# KiCad board SmallDSPMaxi.kicad_pcb (continued)
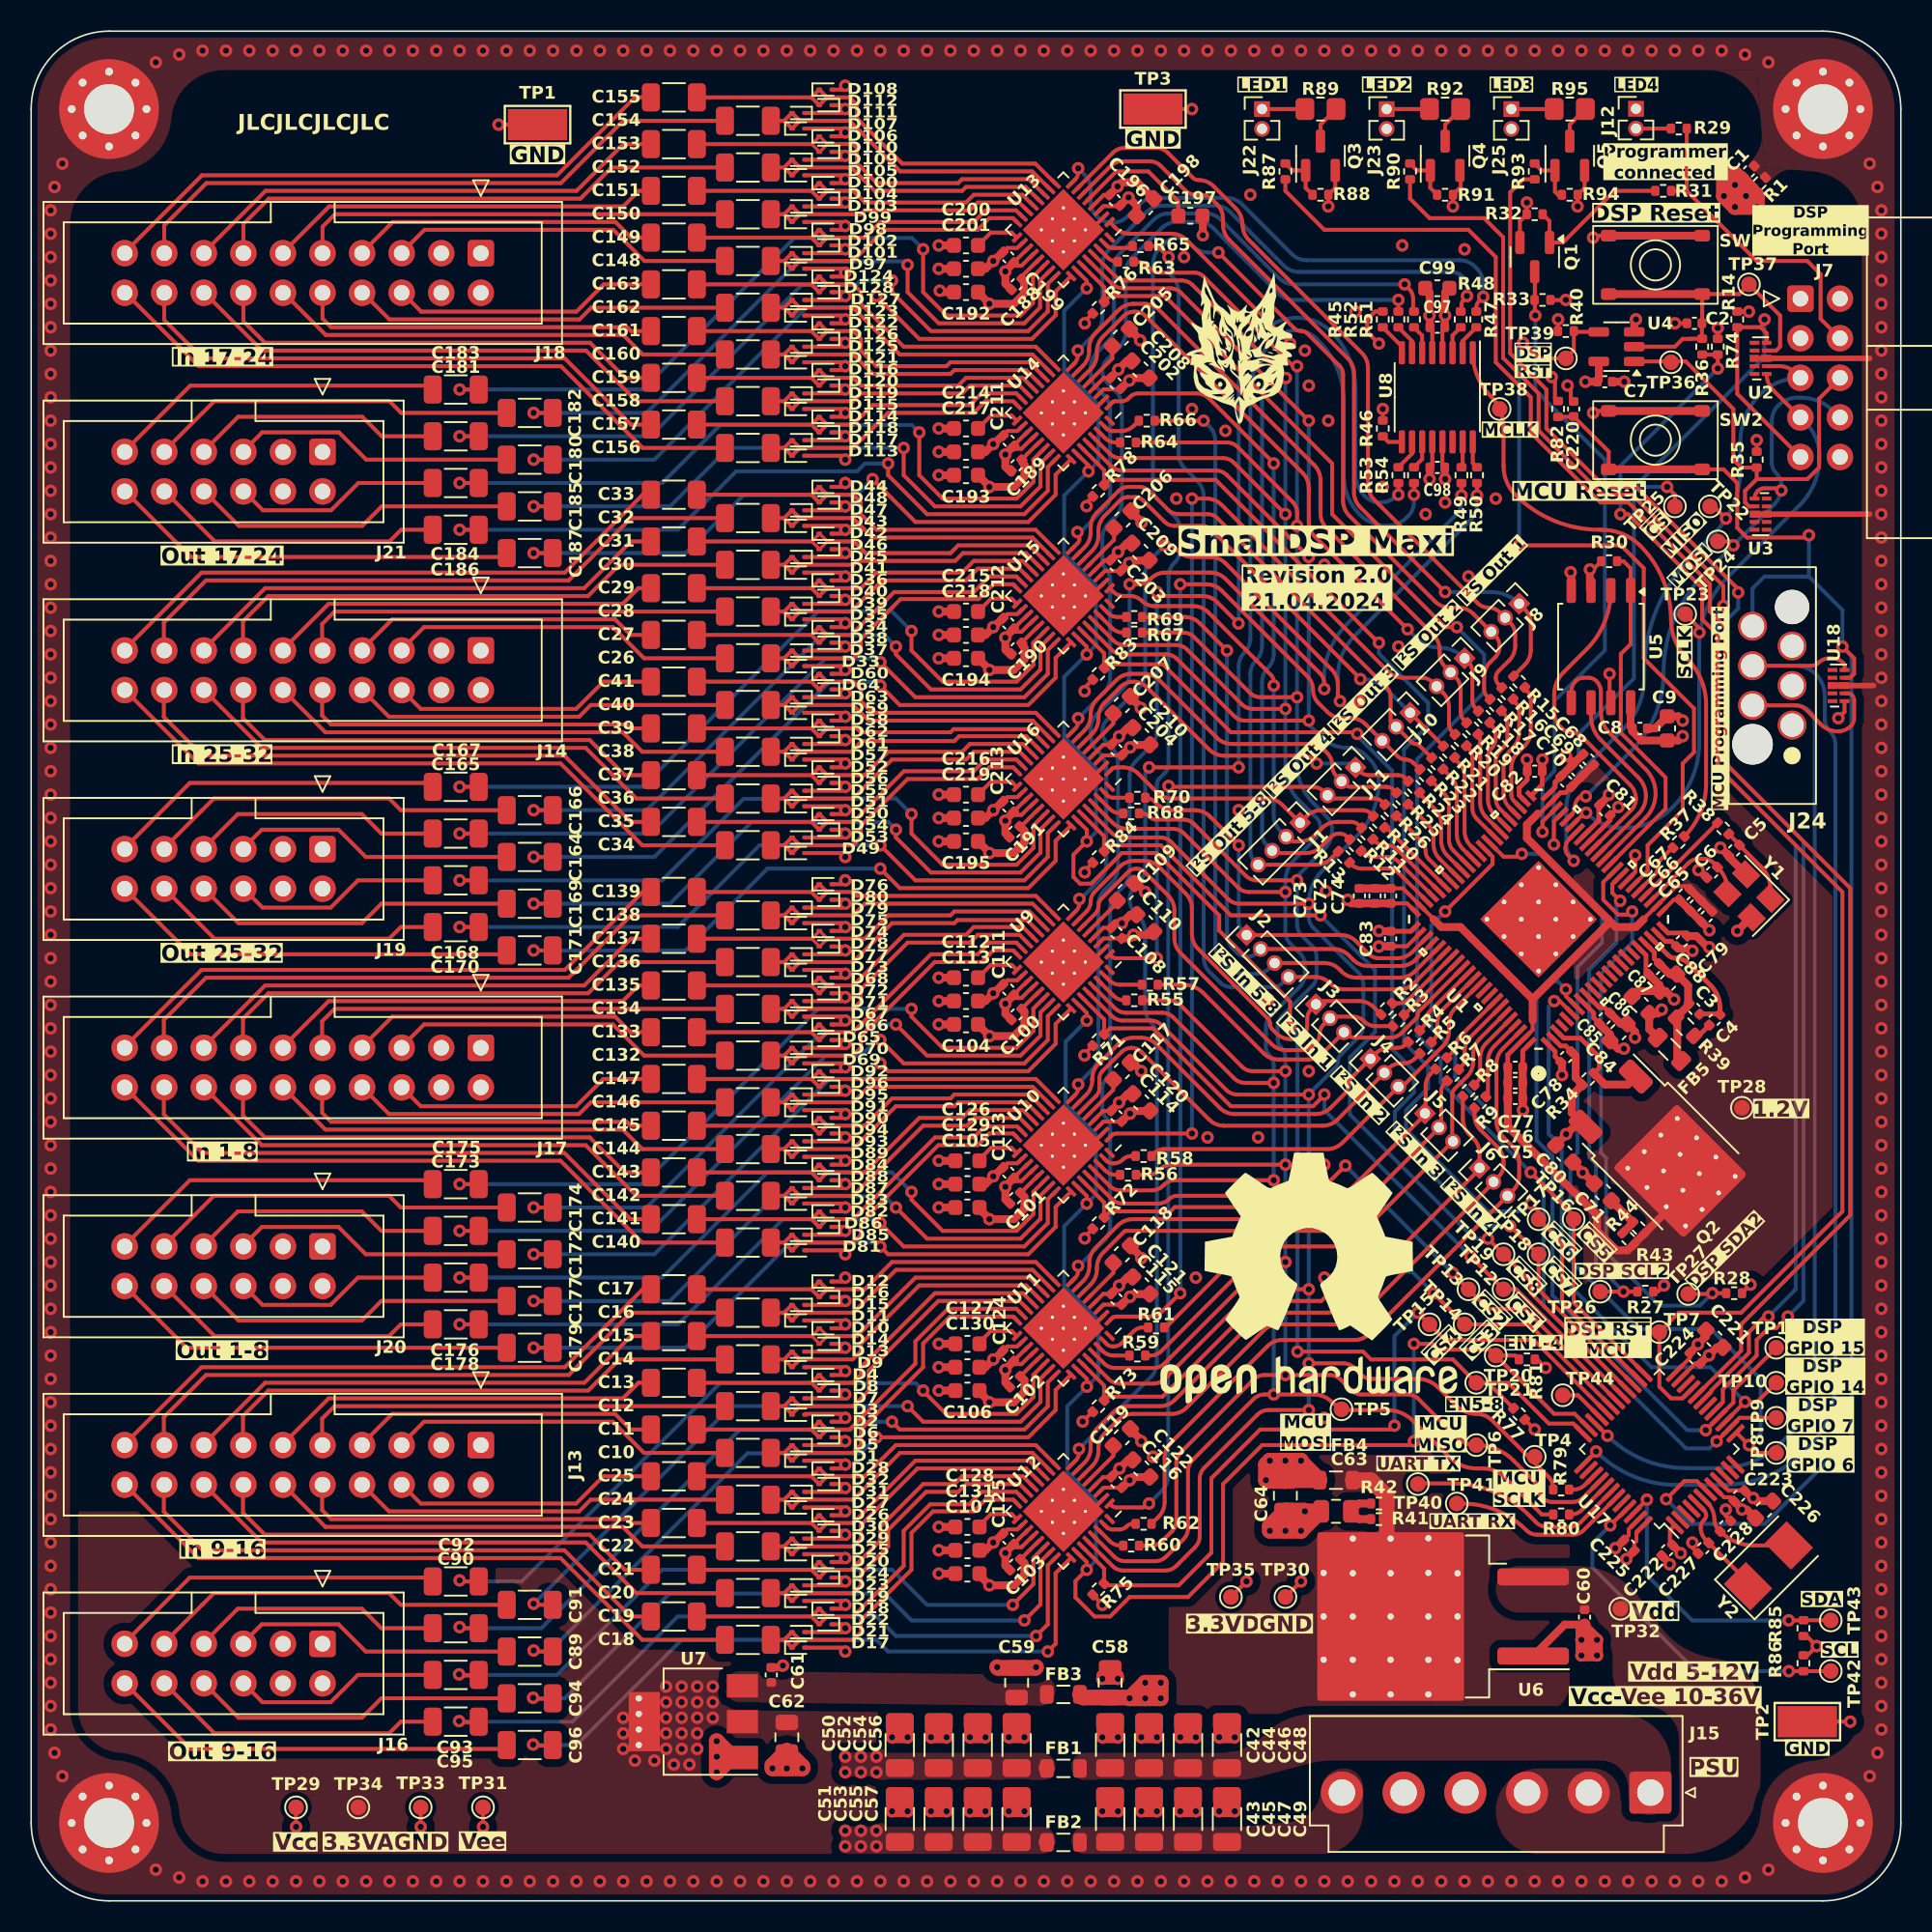
[diagram p0: board, top side]
## Routing (per net, layer and track width the routed paths; a pad name or vN(x,y) marks a point on that pad's centre or on a via; arc(x,y) is an arc through that point) (continued)
/DSP I²S SDI 5: length 65.1
  Top w0.25: U1.72 88.76,58.9 arc(88.32,58.6) 87.8,58.5 84.31,58.5 arc(83.79,58.6) 83.35,58.9 arc(82.91,59.19) 82.39,59.29 J2.4 ; v1(73,105.5) 72.3,106.2 R65.2
  Bottom w0.25: v1(73,105.5) 73,104.76 arc(73.05,104.52) 73.19,104.31 arc(73.53,103.8) 73.65,103.2 73.65,92.89 arc(73.75,92.37) 74.05,91.93 74.85,91.12 arc(75.15,90.68) 75.25,90.16 75.25,60.56 arc(75.35,60.04) 75.65,59.6 76.32,58.93 arc(76.63,58.72) 76.99,58.65 79.66,58.65 arc(80.03,58.72) 80.35,58.93 J2.4
/DSP I²S SDI 6: length 53.7
  Top w0.25: J2.3 82.99,60.19 arc(83.52,60.09) 83.96,59.79 84.1,59.65 arc(84.54,59.35) 85.06,59.25 87.84,59.25 arc(88.36,59.35) 88.8,59.65 U1.71 ; v1(75.25,95) R66.2
  Bottom w0.25: v1(75.25,95) 75.62,94.62 arc(75.9,94.21) 76,93.72 76,61.31 arc(76.1,60.79) 76.4,60.35 76.85,59.9 arc(77.29,59.6) 77.81,59.5 78.63,59.5 arc(79.08,59.59) 79.46,59.85 J2.3
/DSP I²S SDI 7: length 39.6
  Top w0.25: R69.2 74.04,82.4 arc(74.56,82.3) 75,82 v1(76.75,80.25) ; J2.2 83.6,61.09 arc(84.12,60.99) 84.56,60.69 84.85,60.4 arc(85.29,60.1) 85.81,60 87.88,60 arc(88.4,60.1) 88.85,60.4 U1.70
  Bottom w0.25: J2.2 78.66,60.84 arc(78.38,60.65) 78.06,60.59 78.04,60.59 arc(77.69,60.66) 77.39,60.86 77.15,61.1 arc(76.85,61.54) 76.75,62.06 v1(76.75,80.25)
/DSP I²S SDI 8: length 25.6
  Top w0.25: v1(77.5,67.75) 75.65,69.6 arc(75.21,69.9) 74.69,70 73.3,70 arc(72.7,70.12) 72.2,70.46 72.1,70.56 arc(71.83,70.74) R70.2 ; J2.1 84.07,61.99 arc(84.59,61.88) 85.03,61.59 85.86,60.75 arc(86.15,60.57) 86.48,60.5 87.68,60.5 arc(88.2,60.6) 88.64,60.9 U1.69
  Bottom w0.25: J2.1 77.76,62.24 arc(77.57,62.53) 77.5,62.86 v1(77.5,67.75)
/DSP I²S SDO 1: length 91.8
  Top w0.25: U9.1 69.34,60.62 arc(69.48,60.53) 69.64,60.5 v1(72.25,60.5) ; R17.2 93.44,77.31 arc(93.3,77.52) 93.25,77.78 93.25,78.54 arc(93.35,79.06) 93.65,79.51 93.96,79.82 arc(94.18,80.14) 94.25,80.51 94.25,80.53 arc(94.18,80.89) 93.98,81.19 92.56,82.6 arc(92.12,82.9) 91.6,83 91.06,83 arc(90.54,83.1) 90.1,83.4 84.6,88.9 arc(84.3,89.34) 84.2,89.86 84.2,97.97 arc(84.14,98.27) 83.96,98.54 81.89,100.61 arc(81.73,100.71) 81.55,100.75 81.51,100.75 arc(81.27,100.8) 81.07,100.93 v1(76.2,105.8)
  Bottom w0.25: v1(72.25,60.5) 72.25,71.63 72.25,71.71 72.29,71.86 72.37,71.99 72.42,72.05 72.73,72.36 72.8,72.42 72.89,72.57 72.96,72.74 73,72.91 73,73 73,84.97 73,85.07 73.03,85.27 73.1,85.46 73.19,85.64 73.31,85.8 73.44,85.95 73.56,86.11 73.65,86.29 73.72,86.48 73.75,86.68 73.75,86.78 73.75,87.94 73.75,88.04 73.71,88.25 73.65,88.46 73.55,88.65 73.43,88.82 73.35,88.9 72.26,89.99 arc(72.07,90.28) 72,90.61 72,105.03 arc(72.11,105.59) 72.43,106.07 72.79,106.43 arc(73.15,106.67) 73.57,106.75 73.59,106.75 arc(73.99,106.67) 74.32,106.45 74.58,106.19 arc(75.01,105.9) 75.52,105.8 v1(76.2,105.8)
/DSP I²S SDO 2: length 70.2
  Top w0.25: v1(74.5,49.25) 69.66,49.25 arc(69.49,49.22) 69.35,49.12 U10.1 ; R20.2 91.19,75.06 arc(91.05,75.27) 91,75.53 91,76.6 arc(90.9,77.12) 90.6,77.56 89.93,78.23 arc(89.63,78.43) 89.27,78.5 88.06,78.5 arc(87.54,78.6) 87.1,78.9 76.4,89.6 arc(75.96,89.9) 75.44,90 v1(74.5,90)
  Bottom w0.25: v1(74.5,49.25) v1(74.5,90)
/DSP I²S SDO 3: length 71.2
  Top w0.25: U11.1 69.35,37.37 arc(69.49,37.47) 69.66,37.5 71.69,37.5 arc(72.21,37.6) 72.65,37.9 v1(73.75,39) ; R23.2 88.71,73.04 arc(88.48,73.2) 88.21,73.25 arc(87.94,73.3) 87.71,73.46 J10.3 85.65,75.52 arc(85.21,75.81) 84.69,75.91 84.15,75.91 arc(83.63,76.02) 83.19,76.31 82.62,76.88 arc(82.36,77.27) 82.27,77.73 arc(82.18,78.19) 81.92,78.58 76.4,84.1 arc(75.96,84.4) 75.44,84.5 v1(73.75,84.5)
  Bottom w0.25: v1(73.75,84.5) v1(73.75,39)
/DSP I²S SDO 4: length 63.2
  Top w0.25: v1(73,71.55) 73.05,71.5 82.27,71.5 arc(82.63,71.43) 82.93,71.23 J11.3 ; U12.1 69.34,25.37 arc(69.48,25.28) 69.64,25.25 71.32,25.25 arc(71.49,25.28) 71.62,25.38 v1(71.75,25.5) ; R26.2 86.69,70.56 arc(86.48,70.7) 86.22,70.75 83.41,70.75
  Bottom w0.25: v1(71.75,25.5) 72.58,26.33 arc(72.87,26.77) 72.97,27.29 72.97,71.53 v1(73,71.55)
/DSP I²S SDO 5: length 54.5
  Top w0.25: R13.1 83.43,66.9 arc(82.99,66.6) 82.47,66.5 78.75,66.5 ; v1(80.8,99.95) 74.15,106.6 arc(73.71,106.9) 73.19,107 70.49,107 arc(70,107.1) 69.59,107.37 U13.1
  Bottom w0.25: v1(80.8,99.95) 80.4,99.55 arc(79.36,98) 79,96.17 79,80.53 arc(78.9,80.04) 78.62,79.62 arc(78.35,79.21) 78.25,78.72 78.25,67.36 arc(78.32,67.03) 78.5,66.75 J1.4
/DSP I²S SDO 6: length 43.3
  Top w0.25: U14.1 69.42,96.19 arc(69.48,96.24) 69.55,96.25 69.99,96.25 arc(70.23,96.3) 70.43,96.43 70.54,96.54 arc(70.77,96.7) 71.05,96.75 74.79,96.75 arc(75.24,96.66) 75.62,96.41 79.74,92.28 79.75,92.26 v1(79.75,92.25) ; R12.1 84.44,68.31 arc(84.23,68.45) 83.97,68.5 83.94,68.5 arc(83.66,68.44) 83.42,68.28 82.78,67.65 arc(82.34,67.35) 81.82,67.25 79.8,67.25
  Bottom w0.25: v1(79.75,92.25) 79.75,80.03 arc(79.65,79.54) 79.38,79.12 arc(79.1,78.71) 79,78.22 79,68.51 arc(79.08,68.08) 79.32,67.72 J1.3
/DSP I²S SDO 7: length 28.6
  Top w0.25: J1.2 80.7,68.15 arc(80.86,68.04) 81.06,68 81.44,68 arc(81.96,68.1) 82.4,68.4 82.85,68.85 arc(83.29,69.15) 83.81,69.25 84.72,69.25 arc(84.98,69.2) 85.19,69.06 R11.1 ; 69.22,84.25 69.47,84 arc(69.75,83.81) 70.08,83.75 70.52,83.75 arc(70.94,83.67) 71.3,83.42 arc(71.66,83.18) 72.08,83.1 74.59,83.1 arc(75.11,83) 75.55,82.7 79.57,78.68 arc(79.7,78.48) 79.75,78.25 v1(79.75,78)
  Bottom w0.25: v1(79.75,78) 79.75,69.66 arc(79.85,69.14) 80.15,68.7 J1.2
/DSP I²S SDO 8: length 18.5
  Top w0.25: U16.1 69.35,72.62 arc(69.49,72.72) 69.66,72.75 70.09,72.75 arc(70.61,72.65) 71.05,72.35 72.25,71.15 arc(72.69,70.85) 73.21,70.75 79.33,70.75 arc(79.85,70.65) 80.29,70.35 81.09,69.55 arc(81.45,69.4) 81.8,69.55 81.85,69.6 arc(82.29,69.9) 82.81,70 85.47,70 arc(85.73,69.95) 85.94,69.81 R10.1
/DSP LRCK In 1: length 29.2
  Top w0.25: U9.6 68.3,63.36 arc(68.45,63.58) 68.5,63.85 arc(68.55,64.11) 68.7,64.33 70.4,66.03 arc(70.64,66.19) 70.93,66.25 arc(71.23,66.19) 71.47,66.03 72.98,64.52 arc(73.27,64.08) 73.38,63.56 73.38,61.79 arc(73.48,61.27) 73.77,60.83 79.6,55 arc(80.04,54.7) 80.56,54.6 81.51,54.6 arc(81.96,54.69) 82.35,54.95 82.46,55.06 arc(82.64,55.33) 82.7,55.65 arc(82.76,55.97) 82.94,56.24 J3.2 ; 83.46,56.75 84.82,56.75 arc(85.22,56.67) 85.56,56.44 arc(85.89,56.22) 86.29,56.14 R3.1
/DSP LRCK In 2: length 27.7
  Top w0.25: R5.1 88.82,54.07 arc(88.47,53.83) 88.05,53.75 87.88,53.75 arc(87.49,53.67) 87.15,53.45 J4.2 83.85,50.15 arc(83.41,49.85) 82.89,49.75 76.56,49.75 arc(76.04,49.85) 75.6,50.15 71.27,54.48 arc(70.97,54.68) 70.62,54.75 arc(70.28,54.68) 69.98,54.48 68.75,53.25 arc(68.61,53.05) 68.57,52.81 68.57,52.15 arc(68.52,51.9) 68.38,51.69 U10.6
/DSP LRCK In 3: length 30.8
  Top w0.25: 90.36,49.61 84.15,43.4 arc(83.71,43.1) 83.19,43 70.25,43 arc(70.2,42.99) 70.16,42.96 68.8,41.6 arc(68.5,41.16) 68.4,40.64 68.4,40.52 arc(68.3,40) 68,39.56 U11.6 ; 90.5,49.79 90.5,51.97 arc(90.55,52.23) 90.69,52.44 R7.1
/DSP LRCK In 4: length 40.2
  Top w0.25: 93.86,46.11 85.15,37.4 arc(84.71,37.1) 84.19,37 80.06,37 arc(79.54,36.9) 79.1,36.6 74.15,31.65 arc(73.71,31.35) 73.19,31.25 70.71,31.25 arc(70.19,31.15) 69.75,30.85 68.9,30 arc(68.6,29.56) 68.5,29.04 68.5,28.87 arc(68.4,28.35) 68.1,27.91 U12.6 ; J6.2 94.18,46.47 arc(94.42,46.82) 94.5,47.24 94.5,47.44 arc(94.4,47.96) 94.1,48.4 93,49.5 arc(92.73,49.9) 92.64,50.38 R9.1
/DSP LRCK Out 1: length 51.5
  Top w0.25: U13.6 69.3,111.36 arc(69.62,111.57) 70,111.65 71.79,111.65 arc(72.17,111.57) 72.49,111.36 74.06,109.79 arc(74.38,109.58) 74.76,109.5 75.08,109.5 arc(75.46,109.42) 75.78,109.21 76.09,108.9 76.1,108.9 arc(76.4,108.46) 76.5,107.94 76.5,107.56 arc(76.6,107.04) 76.9,106.6 84.5,99 arc(84.8,98.56) 84.9,98.04 84.9,90.41 arc(85,89.89) 85.3,89.45 v1(90.75,84) ; R15.2 95.85,79.32 arc(96.15,79.76) 96.25,80.28 96.25,81.98 arc(96.15,82.47) 95.88,82.88 J8.1
  Bottom w0.25: v1(90.75,84) 93.7,84 arc(94.68,83.81) J8.1
/DSP LRCK Out 2: length 41.4
  Top w0.25: U14.6 68,98.31 arc(68.3,98.75) 68.4,99.27 68.4,99.44 arc(68.5,99.96) 68.8,100.4 70.1,101.7 arc(70.43,101.92) 70.82,102 arc(71.22,101.92) 71.55,101.7 81.6,91.65 arc(81.9,91.21) 82,90.69 82,88.52 arc(82.1,88) 82.4,87.56 v1(88.34,81.61) ; R18.2 92.69,76.56 arc(92.55,76.77) 92.5,77.03 92.5,78.9 arc(92.44,79.22) 92.25,79.5 J9.1
  Bottom w0.25: v1(88.34,81.61) 88.93,81.02 arc(89.58,80.59) 90.33,80.44 arc(91.24,80.26) J9.1
/DSP LRCK Out 3: length 32
  Top w0.25: 85.32,78.43 85.32,78.42 v1(85.31,78.41) ; 90.64,74.12 J10.1 ; U15.6 68.1,86.66 arc(68.4,87.1) 68.5,87.62 68.5,87.94 arc(68.6,88.46) 68.9,88.9 69.9,89.9 arc(70.12,90.04) 70.37,90.1 70.84,90.1 arc(71.13,90.04) 71.37,89.88 72.74,88.51 arc(73.03,88.32) 73.37,88.25 75.14,88.25 arc(75.47,88.18) 75.75,88 85.31,78.44
  Bottom w0.25: J10.1 87.04,77.72 arc(86.25,78.24) 85.32,78.43
/DSP LRCK Out 4: length 25.2
  Top w0.25: J11.1 85.25,72.5 arc(85.53,72.31) 85.85,72.25 87.72,72.25 arc(87.98,72.2) 88.19,72.06 R24.2 ; U16.6 68.1,74.91 arc(68.4,75.35) 68.5,75.87 68.5,75.94 arc(68.6,76.46) 68.9,76.9 69.9,77.9 arc(70.29,78.16) 70.75,78.25 arc(71.21,78.16) 71.6,77.9 75.6,73.9 arc(76.04,73.6) 76.56,73.5 81.65,73.5 arc(81.97,73.44) 82.25,73.25 v1(82.5,73)
  Bottom w0.25: v1(82.5,73) 84.75,73
/DSP MCLK: length 38.9
  Top w0.25: U8.1 arc(92.83,97.85) 93.68,96.57 arc(94.29,95.66) 94.5,94.59 94.5,92.08 arc(94.7,91.08) 95.26,90.24 arc(97.74,88.58) 100.66,88 100.79,88 arc(102.14,87.73) 103.28,86.97 arc(104.74,84.79) 105.25,82.22 arc(105.52,80.86) 106.29,79.71 arc(107.19,78.37) 107.5,76.79 107.5,71.69 arc(107.14,69.86) R37.2
/DSP MISO: length 21.2
  Top w0.25: U1.35 102.71,70.02 arc(102.92,70.34) 103,70.72 arc(102.9,71.21) 102.63,71.62 99.53,74.72 arc(99.22,74.93) 98.86,75 arc(98.53,75.07) 98.24,75.26 98.14,75.36 arc(97.85,75.79) 97.75,76.3 97.75,77.41 arc(97.9,78.19) 98.34,78.84 99.82,80.32 arc(100.98,82.05) U5.2
/DSP MOSI: length 17
  Top w0.25: U1.33 103.61,69.51 arc(104.09,70.23) 104.26,71.07 arc(104.09,71.92) 103.61,72.64 101.32,74.93 arc(100.9,75.56) 100.75,76.3 100.75,77.59 arc(100.67,77.97) 100.46,78.29 arc(100.23,78.45) 99.96,78.5 99.64,78.5 arc(99.37,78.45) 99.14,78.29 arc(98.92,77.97) 98.84,77.59 U5.5
/DSP SCLK: length 12.2
  Top w0.25: U5.6 100.12,76.01 arc(100.27,75.2) 100.73,74.52 103.15,72.1 arc(103.51,71.56) 103.64,70.92 arc(103.52,70.29) 103.16,69.77 U1.34
/EN Codec 1-4: length 98.9
  Top w0.25: v1(67.75,44.75) 67.86,44.86 ; 67.86,21.36 v1(67.75,21.25) 67.03,20.53 67.03,19.47 68.25,18.25 69.25,18.25 70.5,19.5 74.25,19.5 76.5,21.75 76.5,26.75 79,29.25 88.5,29.25 v1(88.75,29.5) ; 67.1,57.64 67.75,56.99 67.75,56.72 ; v1(88.75,35.75) 89.95,35.75 90.32,35.38 93.62,35.38 97.74,31.26 99.06,31.26 U17.35 ; TP20.1 95.24,35 R81.1 ; 67.1,22.39 67.75,21.74 67.75,21.47 ; 67.75,44.97 67.75,45.24 67.1,45.89 ; 67.11,34.14 67.76,33.49 v1(67.76,33) ; v1(67.75,56.5) 67.86,56.61
  Bottom w0.25: v1(67.75,56.5) 66.4,55.15 66.4,51.1 68.34,49.16 68.34,45.34 v1(67.75,44.75) 66.3,43.3 66.3,39.45 68.5,37.25 68.5,33.74 v1(67.76,33) 66.5,31.74 66.5,27.5 68.34,25.66 68.34,21.84 v1(67.75,21.25) ; v1(88.75,29.5) v1(88.75,35.75)
/EN Codec 5-8: length 114
  Top w0.25: U17.36 98.98,30.63 97.41,30.63 94.79,33.25 93.5,33.25 ; 67.1,69.39 67.75,68.74 v1(67.75,68) 66.89,67.14 66.89,65.71 67.32,65.29 68.04,65.29 70,67.25 72.25,67.25 76.25,63.25 76.25,62.28 80.8,57.73 v1(80.8,56.1) ; v1(67.75,103.5) 67.86,103.61 ; v1(67.86,91.75) 67.86,92.13 67.1,92.89 ; 93.5,33.25 TP21.1 91.25,34.75 85.99,34.75 85.49,35.25 v1(81.28,35.25) ; 93.5,33.25 R77.1 ; 67.1,81.14 67.75,80.49 67.75,80.22 ; U13.26 67.75,103.98 67.75,103.72 ; v1(67.75,80) 67.86,80.11
  Bottom w0.25: v1(67.75,103.5) 66.3,102.05 66.3,98.2 68.5,96 68.5,92.39 v1(67.86,91.75) 66.3,90.19 66.3,86.45 68.34,84.41 68.34,80.59 v1(67.75,80) 66.3,78.55 66.3,74.7 68.34,72.66 68.34,68.59 v1(67.75,68) ; v1(80.8,56.1) 80.98,55.92 arc(81.2,55.59) 81.28,55.21 v1(81.28,35.25)
/MCLK 1: length 56
  Top w0.25: v1(70.5,84.5) 71,84.5 arc(71.46,84.59) 71.85,84.85 71.88,84.88 arc(72.29,85.15) 72.78,85.25 75.69,85.25 arc(76.21,85.15) 76.65,84.85 82.74,78.76 arc(82.93,78.48) 83,78.14 v1(83,77.78) ; v1(67.28,64.3) 67.28,64.03 arc(67.22,63.77) 67.08,63.56 U9.8 ; v1(91.8,90.2) R49.2
  Bottom w0.25: v1(91.8,90.2) 91.8,89.75 arc(91.72,89.33) 91.48,88.98 84.47,81.97 arc(83.36,80.31) 82.97,78.34 82.97,77.83 arc(82.97,77.81) 82.98,77.79 v1(83,77.78) ; 67.35,64.3 68.6,65.55 arc(68.9,65.99) 69,66.51 69,72.69 arc(68.9,73.21) 68.6,73.65 68.4,73.85 arc(68.1,74.29) 68,74.81 68,75.19 arc(68.1,75.71) 68.4,76.15 70.1,77.85 arc(70.4,78.29) 70.5,78.81 v1(70.5,84.5)
/MCLK 2: length 72
  Top w0.25: v1(72.75,87) 73,87 arc(73.23,86.95) 73.43,86.82 73.62,86.62 arc(74.04,86.35) 74.53,86.25 75.69,86.25 arc(76.21,86.15) 76.65,85.85 83.47,79.03 arc(83.76,78.59) 83.87,78.07 83.87,77.23 arc(83.88,77.14) 83.93,77.07 v1(84,77) ; v1(67.2,52.4) 67.2,52.16 arc(67.16,51.94) 67.03,51.76 U10.8 ; v1(92.8,90.2) R50.2
  Bottom w0.25: v1(92.8,90.2) 92.8,89.61 arc(92.7,89.09) 92.4,88.65 84.96,81.21 arc(84.15,80) 83.87,78.57 83.87,77.23 arc(83.88,77.14) 83.93,77.07 v1(84,77) ; v1(72.75,87) 71.9,86.15 arc(71.6,85.71) 71.5,85.19 71.5,78.81 arc(71.4,78.29) 71.1,77.85 69.05,75.8 arc(68.83,75.47) 68.75,75.07 arc(68.83,74.67) 69.05,74.34 69.35,74.04 arc(69.65,73.6) 69.75,73.08 69.75,66.31 arc(69.65,65.79) 69.35,65.35 68.9,64.9 arc(68.6,64.46) 68.5,63.94 68.5,54.31 arc(68.4,53.79) 68.1,53.35 67.22,52.47 arc(67.2,52.45) 67.2,52.42 v1(67.2,52.4)
/MCLK 3: length 90.8
  Top w0.25: v1(87.75,90.25) R53.2 ; v1(67.19,40.75) 67.19,40.35 arc(67.13,40.15) 67.01,39.98 U11.8 ; v1(77.49,81.99) 76.12,83.35 arc(75.68,83.65) 75.16,83.75 72.68,83.75 arc(72.51,83.78) 72.38,83.88 v1(72.25,84)
  Bottom w0.25: v1(67.19,40.75) 67.24,40.75 68.93,42.43 arc(69.17,42.85) 69.25,43.32 69.25,49.65 arc(69.19,49.97) 69,50.25 arc(68.81,50.53) 68.75,50.85 68.75,52.15 arc(68.81,52.47) 69,52.75 arc(69.19,53.03) 69.25,53.35 69.25,63.69 arc(69.35,64.21) 69.65,64.65 70.1,65.1 arc(70.4,65.54) 70.5,66.06 70.5,72.19 arc(70.6,72.71) 70.9,73.15 71.85,74.1 arc(72.15,74.54) 72.25,75.06 v1(72.25,84) ; v1(87.75,90.25) 87.74,90.24 arc(87.2,89.88) 86.56,89.75 arc(86.04,89.85) 85.6,90.15 arc(85.16,90.81) 85,91.6 85,96.95 arc(84.6,98.98) 83.45,100.7 arc(82.45,101.37) 81.28,101.6 81.25,101.6 arc(80,101.35) 78.95,100.65 arc(77.88,99.04) 77.5,97.15 77.5,82.01 arc(77.5,82) 77.49,81.99 v1(77.49,81.99)
/MCLK 4: length 102.5
  Top w0.25: v1(67.25,29) 67.25,28.74 arc(67.2,28.49) 67.06,28.29 U12.8 ; v1(88.75,90.25) R54.2 ; v1(71.75,72.75) v1(77.5,72.75)
  Bottom w0.25: v1(77.5,72.75) 77.5,79.22 arc(77.6,79.71) 77.88,80.12 arc(78.15,80.54) 78.25,81.03 78.25,96.64 arc(78.63,98.54) 79.71,100.16 79.76,100.21 arc(80.41,100.65) 81.19,100.8 arc(81.89,100.66) 82.49,100.26 82.65,100.1 arc(83.83,98.33) 84.25,96.23 84.25,91.45 arc(84.52,90.11) 85.27,88.98 85.3,88.95 arc(86.08,88.43) 86.99,88.25 arc(87.69,88.39) 88.29,88.79 88.4,88.9 arc(88.66,89.29) 88.75,89.75 v1(88.75,90.25) ; v1(71.75,72.75) 71.62,72.62 arc(71.53,72.49) 71.5,72.32 71.5,66.34 arc(71.4,65.82) 71.1,65.38 70.86,65.13 arc(70.59,64.74) 70.5,64.27 arc(70.59,63.8) 70.86,63.4 71.1,63.16 arc(71.4,62.72) 71.5,62.2 71.5,57.28 arc(71.6,56.79) 71.88,56.38 arc(72.15,55.96) 72.25,55.47 72.25,34.56 arc(72.15,34.04) 71.85,33.6 v1(67.25,29)
/MCLK 5: length 34.4
  Top w0.25: v1(93.2,102.95) 92.92,102.67 arc(92.8,102.48) 92.75,102.25 R47.2 ; U13.8 67.01,110.49 arc(67.15,110.69) 67.2,110.94 v1(67.2,111.2)
  Bottom w0.25: v1(67.2,111.2) 67.6,110.8 arc(67.9,110.36) 68,109.84 68,109.06 arc(68.1,108.54) 68.4,108.1 68.4,108.1 arc(68.84,107.8) 69.36,107.7 69.39,107.7 arc(69.91,107.8) 70.35,108.1 71.15,108.9 arc(71.59,109.2) 72.11,109.3 76.74,109.3 arc(77.26,109.2) 77.7,108.9 80.9,105.7 arc(81.34,105.4) 81.86,105.3 91.69,105.3 arc(92.21,105.2) 92.65,104.9 92.8,104.75 arc(93.1,104.31) 93.2,103.79 v1(93.2,102.95)
/MCLK 6: length 36.3
  Top w0.25: v1(67.18,99.5) 67.18,99.2 arc(67.12,98.92) 66.96,98.69 U14.8 ; v1(92.15,103) 91.97,102.83 arc(91.85,102.63) 91.8,102.4 91.8,102.06
  Bottom w0.25: v1(92.15,103) 92.15,103.53 arc(92.07,103.92) 91.85,104.25 arc(91.52,104.47) 91.13,104.55 81.36,104.55 arc(80.84,104.65) 80.4,104.95 76.95,108.4 arc(76.51,108.7) 75.99,108.8 72.56,108.8 arc(72.04,108.7) 71.6,108.4 69.15,105.95 arc(68.85,105.51) 68.75,104.99 68.75,101.64 arc(68.65,101.12) 68.35,100.68 v1(67.18,99.5)
/MCLK 7: length 44.1
  Top w0.25: 88.7,102.06 88.7,102.81 arc(88.63,103.17) 88.43,103.47 v1(88.15,103.75) ; v1(67.15,87.85) 67.27,87.73 67.27,87.37 arc(67.23,87.23) 67.15,87.12 66.75,86.72 U15.8
  Bottom w0.25: v1(88.15,103.75) 81.06,103.75 arc(80.54,103.85) 80.1,104.15 76.35,107.9 arc(75.91,108.2) 75.39,108.3 73.01,108.3 arc(72.49,108.2) 72.05,107.9 69.9,105.75 arc(69.6,105.31) 69.5,104.79 69.5,101.03 arc(69.4,100.51) 69.1,100.07 68.4,99.37 arc(68.1,98.93) 68,98.41 68,98.06 arc(68.1,97.54) 68.4,97.1 68.85,96.65 arc(69.15,96.21) 69.25,95.69 69.25,90.16 arc(69.17,89.78) 68.96,89.46 67.41,87.91 arc(67.34,87.87) 67.27,87.85 v1(67.15,87.85)
/MCLK 8: length 53.7
  Top w0.25: v1(67.2,75.9) 67.2,75.66 arc(67.16,75.44) 67.03,75.26 U16.8 ; v1(87.75,102.75) R52.2
  Bottom w0.25: v1(87.75,102.75) 81.04,102.75 arc(80.52,102.85) 80.08,103.15 75.87,107.35 arc(75.43,107.65) 74.91,107.75 73.51,107.75 arc(72.99,107.65) 72.55,107.35 70.65,105.45 arc(70.35,105.01) 70.25,104.49 70.25,100.69 arc(70.15,100.17) 69.85,99.73 69.06,98.94 arc(68.83,98.6) 68.75,98.19 arc(68.83,97.78) 69.06,97.44 69.6,96.9 arc(69.9,96.46) 70,95.94 70,89.81 arc(69.9,89.29) 69.6,88.85 69.15,88.4 arc(68.85,87.96) 68.75,87.44 68.75,86.04 arc(68.81,85.71) 69,85.44 arc(69.19,85.16) 69.25,84.83 69.25,78.51 arc(69.15,77.99) 68.85,77.55 v1(67.2,75.9)
/MCU MISO: length 190
  Top w0.25: v1(80.5,53.25) 78.41,53.25 arc(78.03,53.33) 77.71,53.54 73.74,57.51 arc(73.42,57.72) 73.04,57.8 R55.1 ; R64.1 76.74,93.6 arc(77.12,93.52) 77.44,93.31 80.96,89.79 arc(81.17,89.47) 81.25,89.09 v1(81.25,88.25) ; R60.1 71.89,22.8 arc(72.27,22.88) 72.59,23.09 73.21,23.71 arc(73.42,24.03) 73.5,24.41 73.5,28.09 arc(73.58,28.47) 73.79,28.79 78.46,33.46 arc(78.78,33.67) 79.16,33.75 v1(80.5,33.75) 83.34,33.75 arc(83.72,33.67) 84.04,33.46 84.71,32.79 arc(85.03,32.58) 85.41,32.5 88.33,32.5 arc(88.67,32.44) 88.97,32.28 91.47,29.78 arc(92.05,29.39) TP6.1 arc(94.04,28.99) 95.14,28.26 96.51,26.89 arc(96.72,26.57) 96.8,26.19 arc(96.83,26.05) 96.91,25.93 96.94,25.89 arc(97.27,25.68) 97.65,25.6 98.92,25.6 arc(99.3,25.68) 99.63,25.89 U17.40 ; v1(81.25,65.5) 78.66,65.5 arc(78.28,65.58) 77.96,65.79 74.64,69.11 arc(74.32,69.32) 73.94,69.4 72.15,69.4 arc(72.01,69.43) 71.89,69.51 arc(71.57,69.72) 71.19,69.8 R68.1 ; R56.1 71.69,46.6 arc(72.07,46.68) 72.39,46.89 72.46,46.96 arc(72.78,47.17) 73.16,47.25 v1(80.5,47.25) ; v1(81.25,98.5) 81,98.5 75.23,104.27 arc(74.97,104.44) 74.67,104.5 72.47,104.5 arc(72.09,104.58) 71.76,104.79 71.65,104.91 arc(71.33,105.12) 70.94,105.2 R63.1 ; R59.1 71.84,35 arc(72.22,35.08) 72.54,35.29 77.96,40.71 arc(78.28,40.92) 78.66,41 v1(80.5,41) ; R67.1 73.94,81.4 arc(74.32,81.32) 74.64,81.11 78.21,77.54 arc(78.53,77.33) 78.91,77.25 v1(81.25,77.25)
  Bottom w0.25: v1(81.25,98.5) v1(81.25,88.25) v1(81.25,77.25) 81.25,72.96 arc(81.52,71.61) 82.29,70.46 83.12,69.63 arc(83.4,69.2) 83.5,68.71 arc(83.37,68.05) 83,67.5 81.25,65.75 v1(81.25,65.5) 81.25,62.66 arc(81.33,62.28) 81.54,61.96 82.21,61.29 arc(82.42,60.97) 82.5,60.59 82.5,59.41 arc(82.42,59.03) 82.21,58.71 80.29,56.79 arc(80.08,56.47) 80,56.09 80,55.29 arc(80.05,55.02) 80.21,54.79 arc(80.42,54.47) 80.5,54.09 v1(80.5,53.25) v1(80.5,47.25) v1(80.5,41) v1(80.5,33.75)
/MCU MOSI: length 207.8
  Top w0.25: v1(80.5,89) 77.19,92.31 arc(76.87,92.52) 76.49,92.6 69.92,92.6 arc(69.54,92.68) 69.21,92.89 U14.29 ; U15.29 69.46,80.89 arc(69.79,80.68) 70.17,80.6 73.49,80.6 arc(73.87,80.52) 74.19,80.31 77.71,76.79 arc(78.03,76.58) 78.41,76.5 v1(80.5,76.5) ; U11.29 68.86,34.49 arc(69.19,34.28) 69.57,34.2 72.04,34.2 arc(72.42,34.28) 72.74,34.49 78.21,39.96 arc(78.53,40.17) 78.91,40.25 v1(79.75,40.25) ; v1(79.75,52.5) 77.91,52.5 arc(77.53,52.58) 77.21,52.79 73.29,56.71 arc(72.97,56.92) 72.59,57 70.27,57 arc(69.89,57.08) 69.56,57.29 U9.29 ; U12.29 69.51,22.09 arc(69.84,21.88) 70.22,21.8 72.14,21.8 arc(72.52,21.88) 72.84,22.09 73.96,23.21 arc(74.17,23.53) 74.25,23.91 74.25,27.59 arc(74.33,27.97) 74.54,28.29 78.46,32.21 arc(78.78,32.42) 79.16,32.5 v1(79.75,32.5) 82.31,32.5 arc(82.95,32.37) 83.49,32.01 arc(84.06,31.63) 84.72,31.5 87.01,31.5 arc(87.92,31.32) 88.7,30.8 91.02,28.48 arc(91.83,27.94) 92.78,27.75 93.19,27.75 arc(93.94,27.6) 94.57,27.18 96.95,24.8 R80.1 ; U10.29 69.21,45.89 arc(69.54,45.68) 69.92,45.6 71.94,45.6 arc(72.32,45.68) 72.64,45.89 72.71,45.96 arc(73.03,46.17) 73.41,46.25 v1(79.75,46.25) ; v1(80.5,64.75) 78.16,64.75 arc(77.78,64.83) 77.46,65.04 73.99,68.51 arc(73.67,68.72) 73.29,68.8 70.39,68.8 arc(69.85,68.91) 69.39,69.21 U16.29 ; v1(80.53,97.74) 80.51,97.74 74.54,103.71 arc(74.22,103.92) 73.84,104 70.27,104 arc(69.89,104.08) 69.56,104.29 U13.29
  Bottom w0.25: v1(80.53,97.74) 80.5,97.71 v1(80.5,89) v1(80.5,76.5) 80.5,72.75 arc(80.73,71.6) 81.38,70.62 82.51,69.49 arc(82.69,69.22) 82.75,68.91 arc(82.67,68.53) 82.46,68.21 81.08,66.83 arc(80.65,66.19) 80.5,65.42 v1(80.5,64.75) 80.5,62.16 arc(80.58,61.78) 80.79,61.46 81.46,60.79 arc(81.67,60.47) 81.75,60.09 81.75,59.41 arc(81.67,59.03) 81.46,58.71 79.54,56.79 arc(79.33,56.47) 79.25,56.09 79.25,54.79 arc(79.3,54.52) 79.46,54.29 arc(79.67,53.97) 79.75,53.59 v1(79.75,52.5) v1(79.75,46.25) v1(79.75,40.25) v1(79.75,32.5)
/MCU SCLK: length 228.9
  Top w0.25: v1(82,86.25) 76.74,91.51 arc(76.42,91.72) 76.04,91.8 70.01,91.8 arc(69.63,91.88) 69.3,92.09 U14.28 ; U10.28 69.35,45.04 arc(69.68,44.83) 70.06,44.75 72.34,44.75 arc(72.72,44.83) 73.04,45.04 arc(73.27,45.2) 73.54,45.25 v1(82,45.25) ; v1(82,64) 77.54,64 arc(77.16,64.08) 76.83,64.29 73.17,67.96 arc(72.84,68.17) 72.46,68.25 70.06,68.25 arc(69.68,68.33) 69.35,68.54 U16.28 ; U12.28 69.4,21.49 arc(69.73,21.28) 70.11,21.2 72.79,21.2 arc(73.17,21.28) 73.49,21.49 74.71,22.71 arc(74.92,23.03) 75,23.41 75,27.09 arc(75.08,27.47) 75.29,27.79 78.71,31.21 arc(79.03,31.42) 79.41,31.5 v1(82,31.5) ; U11.28 69.15,33.49 arc(69.48,33.28) 69.86,33.2 72.04,33.2 arc(72.42,33.28) 72.74,33.49 78.21,38.96 arc(78.53,39.17) 78.91,39.25 v1(82,39.25) ; v1(82,34.5) 84.21,34.5 arc(84.59,34.42) 84.92,34.21 85.33,33.79 arc(85.66,33.58) 86.04,33.5 88.99,33.5 arc(89.69,33.36) 90.28,32.97 91.45,31.8 arc(92.06,31.39) 92.77,31.25 arc(93.31,31.14) 93.76,30.84 97.4,27.2 arc(97.61,26.88) 97.69,26.5 R79.1 ; U13.28 69.35,103.79 arc(69.68,103.58) 70.06,103.5 73.09,103.5 arc(73.47,103.42) 73.79,103.21 v1(82,95) ; U15.28 69.35,80.29 arc(69.68,80.08) 70.06,80 72.84,80 arc(73.22,79.92) 73.54,79.71 77.21,76.04 arc(77.53,75.83) 77.91,75.75 v1(82,75.75) ; v1(82,51.75) 77.41,51.75 arc(77.03,51.83) 76.71,52.04 72.54,56.21 arc(72.22,56.42) 71.84,56.5 70.06,56.5 arc(69.68,56.58) 69.35,56.79 U9.28
  Bottom w0.25: v1(82,31.5) v1(82,34.5) v1(82,39.25) v1(82,45.25) v1(82,51.75) ; v1(82,51.75) 82,51.78 83.69,53.46 arc(83.83,53.67) 83.88,53.92 arc(83.91,54.11) 84.02,54.27 85.21,55.46 arc(85.42,55.78) 85.5,56.16 85.5,58.84 arc(85.42,59.22) 85.21,59.54 82.29,62.46 arc(82.08,62.78) 82,63.16 v1(82,64) arc(82.23,65.15) 82.88,66.13 85.02,68.27 arc(86.12,69.91) 86.5,71.84 arc(86.35,72.61) 85.92,73.25 85.65,73.52 arc(85.12,73.87) 84.49,74 arc(83.58,74.18) 82.8,74.7 82,75.5 v1(82,75.75) v1(82,86.25) v1(82,95) ; v1(82,51.75) 82,51.84
/MCU/LED1: length 103.6
  Top w0.25: U17.20 109.75,35.31 109.75,37 116.75,44 116.75,65 108.75,73 108.75,81.75 107.75,82.75 107.75,84.51 102.51,89.75 100.73,89.75 96.25,94.23 96.25,96.5 94,98.75 94,105.5 92.25,107.25 83,107.25 80.5,109.75 R87.1
/MCU/LED2: length 94.7
  Top w0.25: v1(108.61,83.11) 108.61,84.39 102.75,90.25 100.86,90.25 96.75,94.36 96.75,96.75 94.47,99.03 94.47,106.78 93.25,108 89.75,108 88.5,109.25 R90.1 ; U17.19 107.84,32.69 107.84,32.76 110.25,35.17 110.25,36.5 111.25,37.5 v1(111.5,37.5)
  Bottom w0.25: v1(108.61,83.11) 108.25,82.75 108.25,72.75 113.25,67.75 113.25,39.25 v1(111.5,37.5)
/MCU/LED3: length 92.5
  Top w0.25: v1(112.75,37.5) 112,36.75 111.5,36.75 110.75,36 110.75,35 108.58,32.83 108.58,32.02 U17.17 ; v1(109.56,83.98) 109.56,84.19 103,90.75 101,90.75 97.25,94.5 97.25,97 94.93,99.33 94.93,109.66 95.76,110.49 R93.1
  Bottom w0.25: v1(109.56,83.98) 109.56,82.95 108.75,82.14 108.75,73 113.75,68 113.75,38.5 v1(112.75,37.5)
/MCU/SCL: length 22.8
  Top w0.25: U17.45 102.42,25.17 v1(101.35,24.1) ; TP42.1 115.49,14.74 R86.2 v1(112.81,14.74)
  Bottom w0.25: v1(101.35,24.1) 100.2,22.95 100.2,21.4 106.86,14.74 v1(112.81,14.74)
/MCU/SDA: length 19.2
  Top w0.25: v1(112.8,18) 113.74,18 R85.2 115.49,18.01 TP43.1 ; v1(103.7,25.75) 102.79,24.84 U17.46
  Bottom w0.25: v1(103.7,25.75) 103.7,20.9 106.6,18 v1(112.8,18)
/MCU/SWCLK: length 77.2
  Top w0.25: U18.5 116.39,79.23 arc(116.36,79.35) 116.29,79.46 arc(115.97,79.67) 115.59,79.75 115.41,79.75 arc(115.03,79.67) 114.71,79.46 arc(114.5,79.32) 114.26,79.27 J24.4 ; U17.37 100.44,28.83 v1(100.44,28.84)
  Bottom w0.25: J24.4 113.25,79.27 arc(113.95,79.13) 114.54,78.73 arc(114.97,78.09) 115.12,77.34 115.12,75.84 arc(115.2,75.43) 115.43,75.09 arc(115.7,74.68) 115.8,74.2 115.8,33.4 arc(115.32,30.99) 113.95,28.94 arc(111.46,27.28) 108.52,26.69 105.64,26.69 arc(102.83,27.25) v1(100.44,28.84)
